# KiCad board latentpink.kicad_pcb (continued)
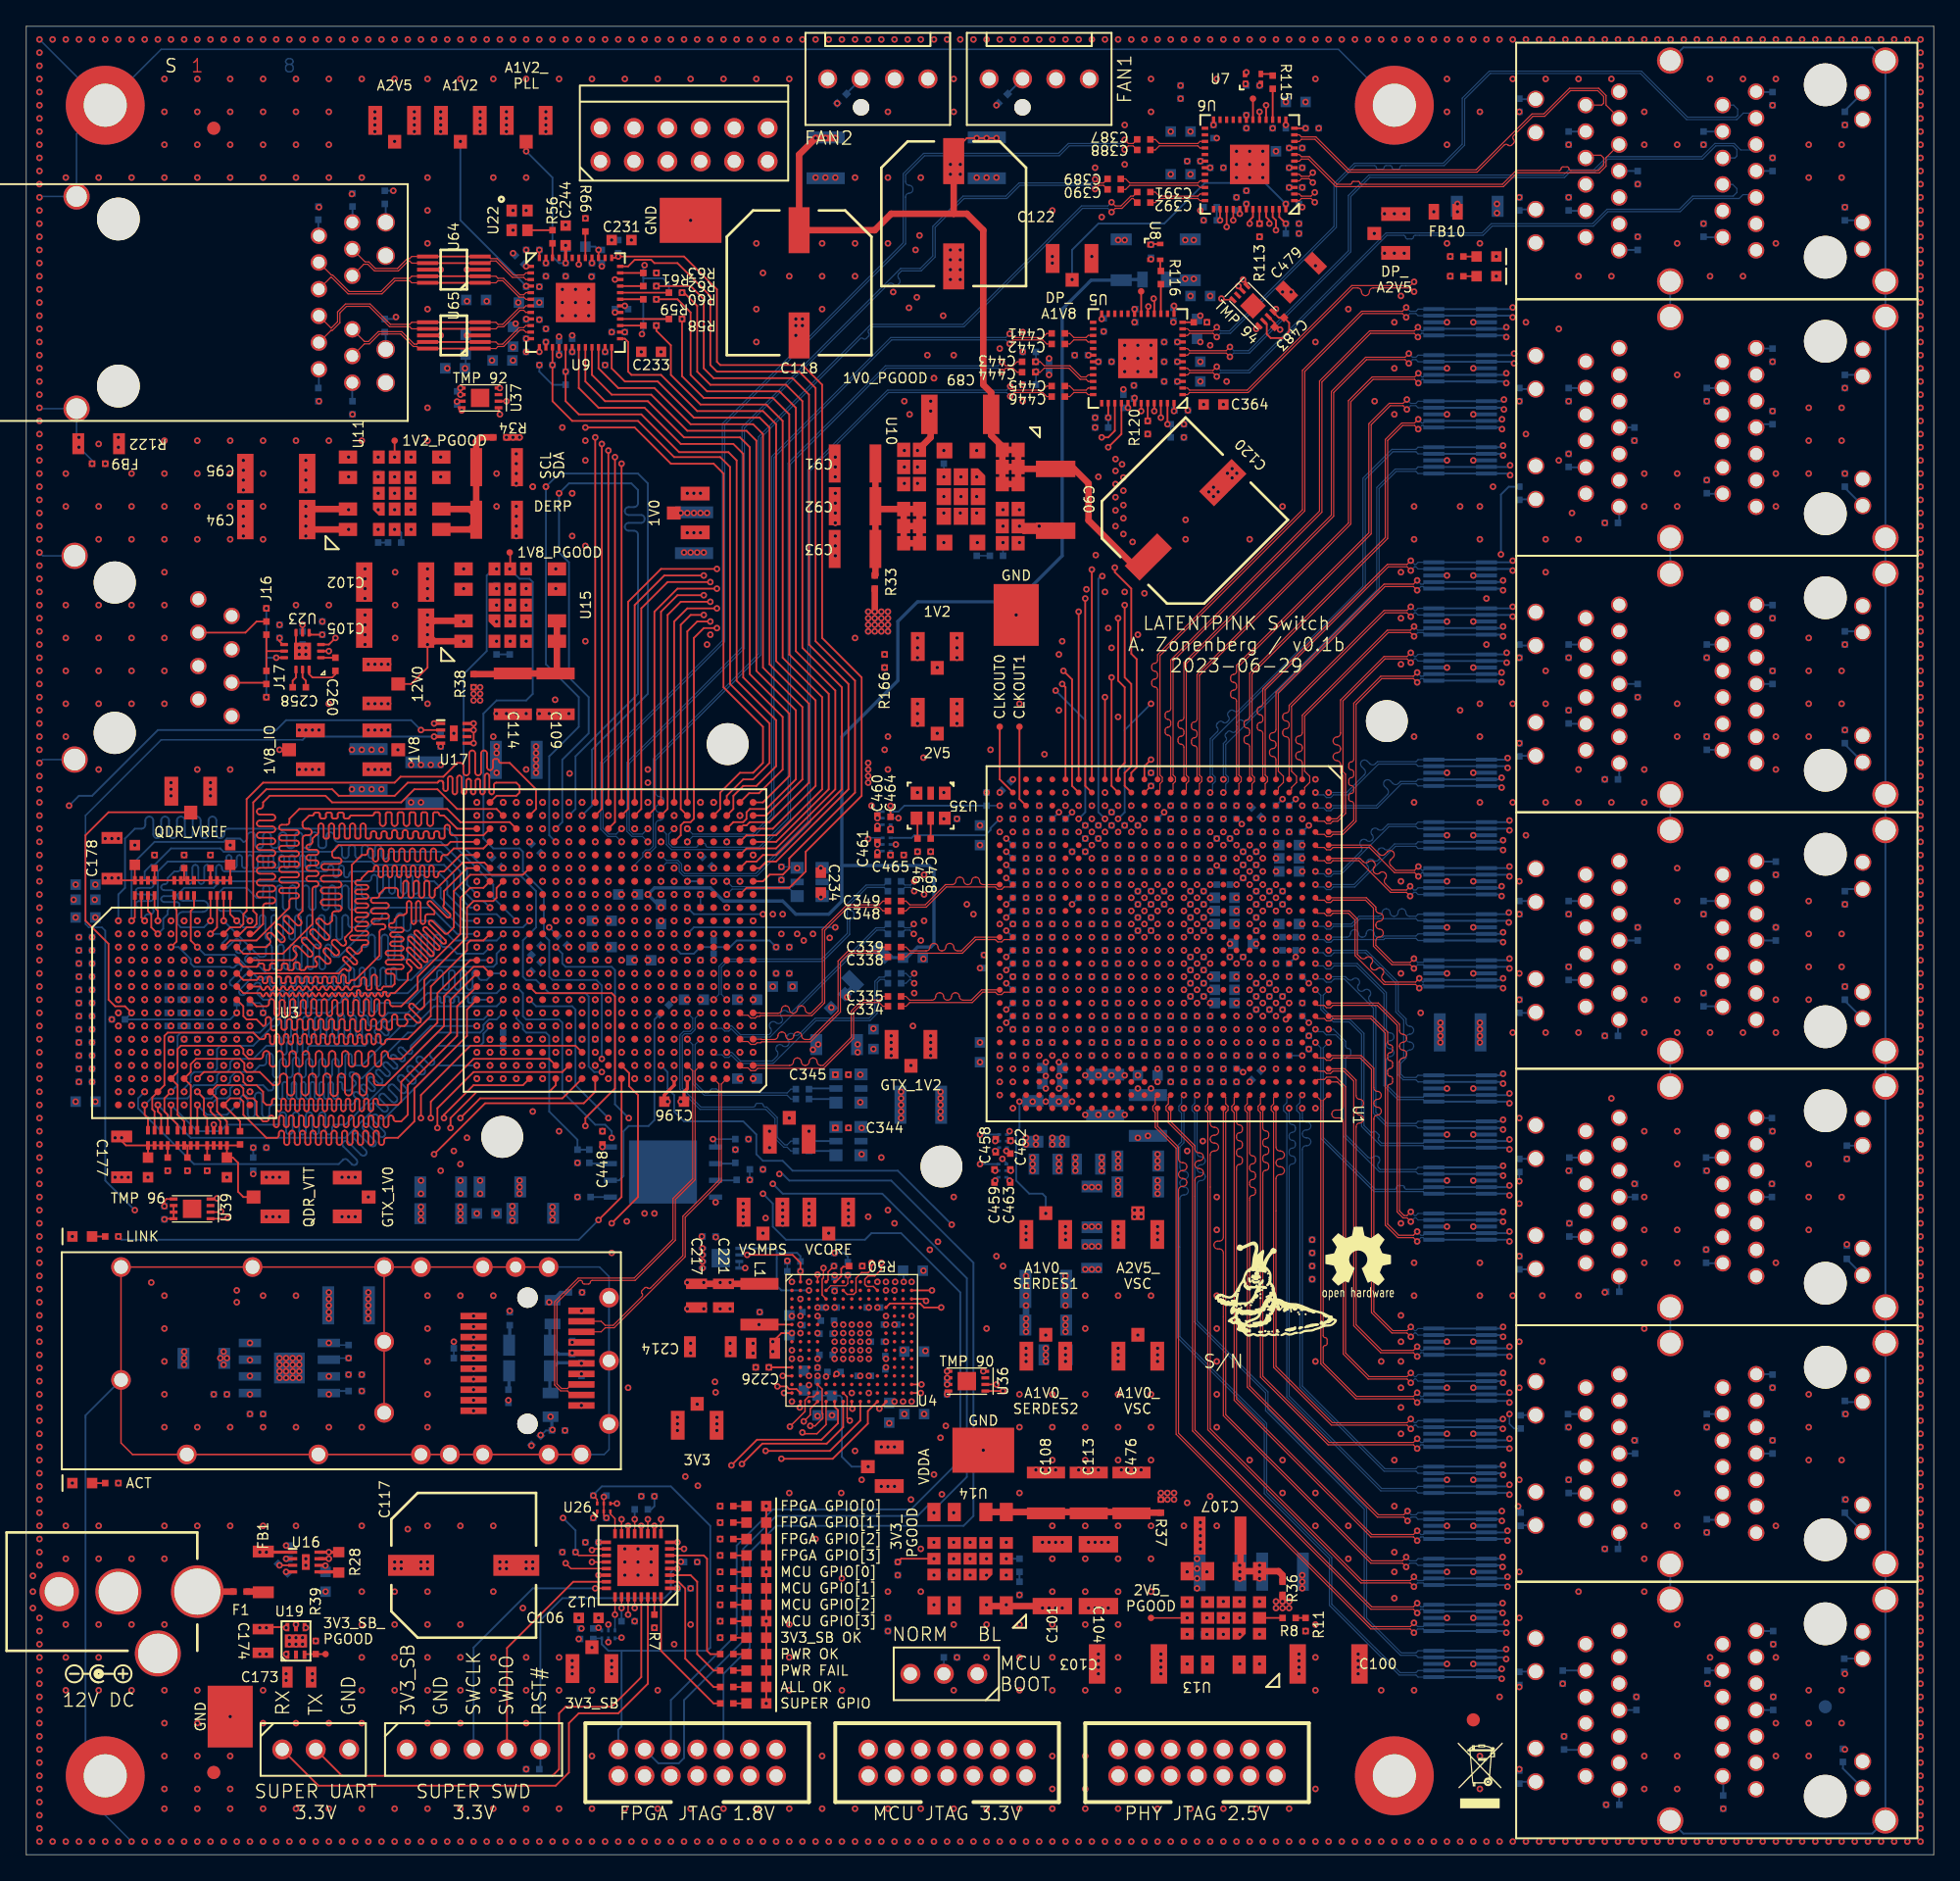
[diagram p0: board, top side]
## Routing (per net, layer and track width the routed paths; a pad name or vN(x,y) marks a point on that pad's centre or on a via; arc(x,y) is an arc through that point) (continued)
  Bottom w0.081: v1(105.25,48.88) 105.54,48.59 105.63,48.58 105.8,48.75 U44.5
  Bottom w0.14: U44.5 U44.6 112.14,48.75 v1(112.27,48.88)
/QSGMII PHY/ETH5_D2_N: length 32.4
  In2.Cu w0.081: v1(112.75,50.12) 113.04,50.41 116.54,50.41 118.04,51.92 119.46,51.92 119.74,51.64 119.74,51.44 119.29,50.99 118.56,50.99
  Bottom w0.09: 106.35,50.25 106.19,50.41 102.46,50.41 98.41,54.46 98.41,56.57 98.42,56.58 98.42,56.92 98.41,56.93 98.41,61.34 v1(98,61.75)
  Bottom w0.14: v1(112.75,50.12) 112.62,50.25 U45.10 U45.1
/QSGMII PHY/ETH5_D2_P: length 31.8
  In2.Cu w0.081: 120.69,51.6 120.02,51.6 119.54,52.08 117.96,52.08 116.46,50.59 113.04,50.59 v1(112.75,50.88)
  Bottom w0.09: 106.35,50.75 106.19,50.59 104.91,50.59 arc(104.81,50.63) 104.77,50.73 arc(104.73,50.83) 104.63,50.87 104.31,50.87 arc(104.21,50.83) 104.17,50.73 arc(104.13,50.63) 104.03,50.59 102.54,50.59 98.59,54.54 98.59,56.49 98.6,56.5 98.6,57 98.59,57.01 98.59,61.34 v1(99,61.75)
  Bottom w0.14: v1(112.75,50.88) 112.62,50.75 U45.9 U45.2
/QSGMII PHY/ETH5_D3_N: length 33
  In2.Cu w0.081: 120.99,53.92 118.14,53.92 115.84,51.61 113.56,51.61 113.26,51.91 112.56,51.91 v1(112.27,51.62)
  Bottom w0.081: 99.03,62.33 99.54,62.33 99.69,62.19
  Bottom w0.09: v1(98,62.75) 98.18,62.57 98.59,62.57 98.83,62.33 99.03,62.33 ; 99.69,62.19 100.11,61.76 100.11,54.66 102.86,51.91 105.64,51.91 105.8,51.75 U45.4
  Bottom w0.14: v1(112.27,51.62) 112.14,51.75 U45.7 U45.4
/QSGMII PHY/ETH5_D3_P: length 32.5
  In2.Cu w0.081: v1(112.27,52.38) 112.56,52.09 113.34,52.09 113.64,51.78 115.76,51.78 118.06,54.08 119.36,54.08 119.5,54.22 119.5,54.6 119.09,55.01
  Bottom w0.09: U45.5 105.8,52.25 105.64,52.09 102.94,52.09 102.81,52.21 arc(102.73,52.41) 102.81,52.61 arc(102.9,52.81) 102.81,53.01 102.79,53.04 arc(102.59,53.12) 102.39,53.04 arc(102.19,52.96) 101.99,53.04 100.29,54.74 100.29,60.49 arc(100.35,60.63) 100.49,60.69 arc(100.63,60.75) 100.69,60.89 100.69,61.09 arc(100.63,61.23) 100.49,61.29 arc(100.35,61.35) 100.29,61.49 100.29,61.84 99.38,62.75 v1(99,62.75)
  Bottom w0.14: v1(112.27,52.38) 112.14,52.25 U45.6 U45.5
/QSGMII PHY/ETH5_TAP_0: length 1.2
  Bottom w0.14: J18.14 121.09,42.81
/QSGMII PHY/ETH5_TAP_1: length 1.2
  Bottom w0.14: 118.56,46.97 117.33,46.97
/QSGMII PHY/ETH5_TAP_2: length 1.2
  Bottom w0.14: C415.2 J18.17
/QSGMII PHY/ETH5_TAP_3: length 1.3
  Bottom w0.14: C416.2 118.56,53
/QSGMII PHY/ETH6_D0_N: length 37.3
  Top w0.09: v1(105.82,74.38) 105.54,74.66 104.01,74.66 102.1,76.57 99.33,76.57 99.15,76.39 98.85,76.39 98.67,76.57 98.18,76.57 U1.B6
  In5.Cu w0.081: 129.18,74.3 130.28,74.3 130.41,74.44 130.41,75.06 129.56,75.92 123.36,75.92 122.36,76.92 114.84,76.92 113.78,75.86 113.78,75.16 113.29,74.66 113.04,74.66 v1(112.75,74.38)
  Bottom w0.09: v1(105.82,74.38) 106.11,74.66 106.19,74.66 106.35,74.5
  Bottom w0.14: v1(112.75,74.38) 112.62,74.5 U50.7 U50.4
/QSGMII PHY/ETH6_D0_P: length 37.6
  Top w0.09: U1.A6 102.18,76.75 102.87,76.06 arc(103.08,75.97) 103.29,76.06 103.48,76.25 arc(103.69,76.34) 103.9,76.25 arc(103.99,76.04) 103.9,75.83 103.71,75.64 arc(103.63,75.43) 103.71,75.21 104.09,74.84 105.54,74.84 v1(105.82,75.12)
  In5.Cu w0.081: v1(112.75,75.12) 113.04,74.84 113.21,74.84 113.62,75.24 113.62,75.94 114.76,77.08 122.44,77.08 123.44,76.08 129.64,76.08 130.59,75.14 130.59,74.44 J19.6
  Bottom w0.09: v1(105.82,75.12) 106.11,74.84 106.19,74.84 106.35,75
  Bottom w0.14: v1(112.75,75.12) 112.62,75 U50.6 U50.5
/QSGMII PHY/ETH6_D1_N: length 38.2
  Top w0.09: U1.B7 98.18,75.57 98.67,75.57 98.85,75.39 99.15,75.39 99.33,75.57 101.3,75.57 103.71,73.16 104.92,73.16 v1(105.2,72.88)
  In5.Cu w0.081: v1(112.15,72.88) 112.44,73.16 113.69,73.16 114.04,73.52 119.36,73.52 120.46,72.42 124.56,72.42 127.56,69.42 129.94,69.42 130.49,69.96 130.49,70.49 J19.5
  Bottom w0.09: v1(105.2,72.88) 105.48,73.16 105.64,73.16 105.8,73 U50.1
  Bottom w0.14: U50.1 U50.10 112.03,73 v1(112.15,72.88)
/QSGMII PHY/ETH6_D1_P: length 37.7
  Top w0.09: v1(105.2,73.62) 104.92,73.34 103.79,73.34 103.31,73.81 arc(103.23,74.01) 103.31,74.21 arc(103.4,74.41) 103.31,74.61 103.29,74.64 arc(103.09,74.72) 102.89,74.64 arc(102.69,74.55) 102.49,74.64 102.47,74.66 arc(102.38,74.86) 102.47,75.06 arc(102.55,75.26) 102.47,75.46 102.44,75.48 arc(102.24,75.57) 102.04,75.48 arc(101.84,75.4) 101.64,75.48 101.38,75.75 U1.A7
  In5.Cu w0.081: 129.38,70.9 130,70.9 130.3,70.6 130.3,70.02 129.86,69.58 127.64,69.58 124.64,72.58 120.54,72.58 119.44,73.69 113.96,73.69 113.61,73.34 112.44,73.34 v1(112.15,73.62)
  Bottom w0.09: U50.2 105.8,73.5 105.64,73.34 105.48,73.34 v1(105.2,73.62)
  Bottom w0.14: U50.2 U50.9 112.03,73.5 v1(112.15,73.62)
/QSGMII PHY/ETH6_D2_N: length 42.7
  In2.Cu w0.081: J19.10 129.62,68.48 129.84,68.26 130.14,68.26 130.31,68.44 130.31,69.06 129.96,69.42 128.12,69.42 arc(128.06,69.39) 128.04,69.34 arc(128.02,69.28) 127.96,69.26 127.51,69.26 arc(127.46,69.28) 127.44,69.34 arc(127.42,69.39) 127.36,69.42 126.66,69.42 124.72,71.36 124.72,75.36 121.91,78.16 113.04,78.16 v1(112.75,77.88)
  Bottom w0.09: v1(98,74.75) 98.18,74.57 98.64,74.57 98.84,74.37 99.16,74.37 99.36,74.57 100,74.57 103.59,78.16 105.64,78.16 105.8,78 U51.4
  Bottom w0.14: v1(112.75,77.88) 112.62,78 U51.7 U51.4
/QSGMII PHY/ETH6_D2_P: length 42.7
  In2.Cu w0.081: v1(112.75,78.62) 113.04,78.34 121.99,78.34 124.88,75.44 124.88,71.44 126.74,69.58 130.04,69.58 130.49,69.14 130.49,68.51 J19.3
  Bottom w0.09: v1(99,74.75) 99.92,74.75 101.46,76.29 arc(101.54,76.49) 101.46,76.69 arc(101.38,76.89) 101.46,77.09 101.48,77.12 arc(101.68,77.2) 101.89,77.12 arc(102.09,77.03) 102.29,77.12 102.31,77.14 arc(102.39,77.34) 102.31,77.54 arc(102.23,77.74) 102.31,77.94 102.33,77.96 arc(102.53,78.05) 102.73,77.96 arc(102.94,77.88) 103.14,77.96 103.51,78.34 105.64,78.34 105.8,78.5 U51.5
  Bottom w0.14: U51.5 U51.6 112.62,78.5 v1(112.75,78.62)
/QSGMII PHY/ETH6_D3_N: length 44.2
  In2.Cu w0.081: 131.19,65.8 130.32,65.8 129.84,65.31 128.36,65.31 127.56,66.11 125.16,66.11 123.41,67.86 123.41,75.36 122.11,76.66 112.56,76.66 v1(112.27,76.38)
  Bottom w0.09: U51.1 105.8,76.5 105.64,76.66 104.09,76.66 101,73.57 99.36,73.57 99.16,73.37 98.84,73.37 98.64,73.57 98.18,73.57 v1(98,73.75)
  Bottom w0.14: U51.1 U51.10 112.14,76.5 v1(112.27,76.38)
/QSGMII PHY/ETH6_D3_P: length 44.6
  In2.Cu w0.081: v1(112.27,77.12) 112.56,76.84 122.19,76.84 123.59,75.44 123.59,67.94 125.24,66.28 127.64,66.28 128.44,65.48 129.76,65.48 130.04,65.76 130.04,66.06 129.63,66.47 J19.9
  Bottom w0.09: v1(99,73.75) 100.92,73.75 101.96,74.79 arc(102.04,74.99) 101.96,75.19 arc(101.88,75.39) 101.96,75.59 101.98,75.62 arc(102.18,75.7) 102.39,75.62 arc(102.59,75.53) 102.79,75.62 102.81,75.64 arc(102.89,75.84) 102.81,76.04 arc(102.73,76.24) 102.81,76.44 102.83,76.46 arc(103.03,76.55) 103.23,76.46 arc(103.44,76.38) 103.64,76.46 104.01,76.84 105.64,76.84 105.8,77 U51.2
  Bottom w0.14: v1(112.27,77.12) 112.14,77 U51.9 U51.2
/QSGMII PHY/ETH6_TAP_0: length 1.5
  Bottom w0.14: C417.2 131.53,75.5
/QSGMII PHY/ETH6_TAP_1: length 1.5
  Bottom w0.14: C418.2 J19.12
/QSGMII PHY/ETH6_TAP_2: length 1.5
  Bottom w0.14: C419.2 J19.4
/QSGMII PHY/ETH6_TAP_3: length 1.4
  Bottom w0.14: C420.2 128.93,64.5
/QSGMII PHY/ETH7_D0_N: length 27.6
  Top w0.09: v1(105.9,65.88) 105.61,66.16 103.21,66.16 101.01,68.36 101.01,71.06 100.5,71.57 99.33,71.57 99.15,71.39 98.85,71.39 98.67,71.57 98.18,71.57 U1.B11
  In2.Cu w0.081: 118.56,64.46 119.36,64.46 119.69,64.79 119.69,65.19 119.46,65.42 113.96,65.42 113.21,66.16 112.56,66.16 v1(112.27,65.88)
  Bottom w0.09: 106.35,66 106.19,66.16 106.18,66.16 v1(105.9,65.88)
  Bottom w0.14: v1(112.27,65.88) 112.14,66 U54.10 U54.1
/QSGMII PHY/ETH7_D0_P: length 27.2
  Top w0.09: v1(105.9,66.62) 105.61,66.34 103.29,66.34 103.11,66.51 arc(103.03,66.71) 103.11,66.91 arc(103.2,67.11) 103.11,67.31 103.09,67.34 arc(102.89,67.42) 102.69,67.34 arc(102.49,67.25) 102.29,67.34 102.27,67.36 arc(102.18,67.56) 102.27,67.76 arc(102.35,67.96) 102.27,68.16 102.24,68.18 arc(102.04,68.27) 101.84,68.18 arc(101.64,68.1) 101.44,68.18 101.19,68.44 101.19,71.14 100.58,71.75 U1.A11
  In2.Cu w0.081: v1(112.27,66.62) 112.56,66.34 113.29,66.34 114.04,65.58 119.54,65.58 119.92,65.2 120.81,65.2
  Bottom w0.09: 106.35,66.5 106.19,66.34 106.18,66.34 v1(105.9,66.62)
  Bottom w0.14: v1(112.27,66.62) 112.14,66.5 U54.9 U54.2
/QSGMII PHY/ETH7_D1_N: length 27.1
  Top w0.09: v1(105.49,67.38) 105.2,67.66 103.81,67.66 102.41,69.06 102.41,71.96 101.8,72.57 99.33,72.57 99.15,72.39 98.85,72.39 98.67,72.57 98.18,72.57 U1.B10
  In2.Cu w0.081: 120.69,67.9 120.12,67.9 119.64,67.42 117.96,67.42 117.36,68.02 116.44,68.02 116.09,67.67 113.04,67.66 v1(112.75,67.38)
  Bottom w0.09: 106.35,67.5 106.19,67.66 105.77,67.66 v1(105.49,67.38)
  Bottom w0.14: U54.4 U54.7 112.62,67.5 v1(112.75,67.38)
/QSGMII PHY/ETH7_D1_P: length 27.7
  Top w0.09: v1(105.49,68.12) 105.2,67.84 103.89,67.84 102.59,69.14 102.59,69.49 arc(102.67,69.69) 102.87,69.77 arc(103.07,69.85) 103.15,70.05 103.15,70.09 arc(103.07,70.29) 102.87,70.37 arc(102.67,70.45) 102.59,70.65 102.59,70.69 arc(102.67,70.89) 102.87,70.97 arc(103.07,71.05) 103.15,71.25 103.15,71.29 arc(103.07,71.49) 102.87,71.57 arc(102.67,71.65) 102.59,71.85 102.59,72.04 101.88,72.75 U1.A10
  In2.Cu w0.081: 118.56,68.48 119.42,68.48 119.7,68.2 119.7,67.72 119.56,67.58 118.04,67.58 117.44,68.19 116.36,68.19 116.01,67.83 113.04,67.84 v1(112.75,68.12)
  Bottom w0.09: 106.35,68 106.19,67.84 105.77,67.84 v1(105.49,68.12)
  Bottom w0.14: U54.5 U54.6 112.62,68 v1(112.75,68.12)
/QSGMII PHY/ETH7_D2_N: length 24.8
  In2.Cu w0.081: 118.56,70.49 119.59,70.49 119.74,70.64 119.74,71.04 119.36,71.42 118.04,71.42 116.29,69.66 112.56,69.66 v1(112.27,69.38)
  Bottom w0.09: v1(98,69.75) 98.18,69.57 98.64,69.57 98.84,69.37 99.16,69.37 99.36,69.57 103.2,69.57 103.29,69.66 105.64,69.66 105.8,69.5 U55.1
  Bottom w0.14: U55.1 U55.10 112.14,69.5 v1(112.27,69.38)
/QSGMII PHY/ETH7_D2_P: length 24.8
  In2.Cu w0.081: v1(112.27,70.12) 112.56,69.84 116.21,69.84 117.96,71.58 119.44,71.58 120.02,71 120.59,71 J19.18
  Bottom w0.09: v1(99,69.75) 100.38,69.75 arc(100.58,69.83) 100.67,70.03 arc(100.75,70.24) 100.95,70.32 100.98,70.32 arc(101.18,70.24) 101.27,70.03 arc(101.35,69.83) 101.55,69.75 101.58,69.75 arc(101.78,69.83) 101.87,70.03 arc(101.95,70.24) 102.15,70.32 102.18,70.32 arc(102.38,70.24) 102.47,70.03 arc(102.55,69.83) 102.75,69.75 103.12,69.75 103.21,69.84 105.64,69.84 105.8,70 U55.2
  Bottom w0.14: U55.2 U55.9 112.14,70 v1(112.27,70.12)
/QSGMII PHY/ETH7_D3_N: length 25.1
  In2.Cu w0.081: v1(112.7,70.88) 112.99,71.16 113.01,71.16 113.66,70.52 114.94,70.52 117.84,73.42 119.54,73.42 120.02,73.9 120.72,73.9
  Bottom w0.09: U55.4 105.8,71 105.64,71.16 101.39,71.16 100.8,70.57 99.36,70.57 99.16,70.37 98.84,70.37 98.64,70.57 98.18,70.57 v1(98,70.75)
  Bottom w0.14: U55.4 U55.7 112.58,71 v1(112.7,70.88)
/QSGMII PHY/ETH7_D3_P: length 25.6
  In2.Cu w0.081: v1(112.7,71.62) 112.99,71.34 113.09,71.34 113.74,70.69 114.86,70.69 117.76,73.58 119.41,73.58 119.6,73.77 119.6,74.4 119.49,74.51 118.56,74.51
  Bottom w0.09: U55.5 105.8,71.5 105.64,71.34 105.16,71.34 arc(104.96,71.42) 104.88,71.62 arc(104.79,71.83) 104.59,71.91 104.56,71.91 arc(104.36,71.83) 104.28,71.62 arc(104.19,71.42) 103.99,71.34 103.96,71.34 arc(103.76,71.42) 103.68,71.62 arc(103.59,71.83) 103.39,71.91 103.36,71.91 arc(103.16,71.83) 103.08,71.62 arc(102.99,71.42) 102.79,71.34 101.31,71.34 100.72,70.75 v1(99,70.75)
  Bottom w0.14: v1(112.7,71.62) 112.58,71.5 U55.6 U55.5
/QSGMII PHY/ETH7_TAP_0: length 1.1
  Bottom w0.14: C421.2 121,63.37
/QSGMII PHY/ETH7_TAP_1: length 1.3
  Bottom w0.14: C422.2 118.53,66.5
/QSGMII PHY/ETH7_TAP_2: length 1.4
  Bottom w0.14: C423.2 J19.17
/QSGMII PHY/ETH7_TAP_3: length 1.3
  Bottom w0.14: C424.2 118.56,72.5
/QSGMII PHY/ETH8_D0_N: length 49.8
  Top w0.09: v1(105.73,96.12) 105.45,96.41 103.29,96.41 95.18,88.3 95.18,82.37 95.56,81.98 95.56,81.52 95.18,81.13 95.18,80.93 U1.E2
  In2.Cu w0.081: v1(112.27,96.12) 112.56,96.41 117.44,96.41 118.14,97.12 122.66,97.12 124.56,95.22 129.66,95.22 130.31,94.56 130.31,93.84 130.24,93.76 129.94,93.76 129.69,94.01 J20.13
  Bottom w0.09: v1(105.73,96.12) 106.02,96.41 106.19,96.41 106.35,96.25
  Bottom w0.14: v1(112.27,96.12) 112.14,96.25 U58.10 U58.1
/QSGMII PHY/ETH8_D0_P: length 49.9
  Top w0.09: U1.E1 95,83.25 arc(94.93,83.42) 94.76,83.49 arc(94.58,83.57) 94.51,83.74 94.51,83.85 arc(94.58,84.02) 94.76,84.09 arc(94.93,84.17) 95,84.34 95,84.45 arc(94.93,84.62) 94.76,84.69 arc(94.58,84.77) 94.51,84.94 94.51,85.05 arc(94.58,85.22) 94.76,85.29 arc(94.93,85.37) 95,85.54 95,88.38 103.21,96.59 105.45,96.59 v1(105.73,96.88)
  In2.Cu w0.081: J20.6 130.49,94.04 130.49,94.64 129.74,95.39 124.64,95.39 122.74,97.28 118.06,97.28 117.36,96.59 112.56,96.59 v1(112.27,96.88)
  Bottom w0.09: 106.35,96.75 106.19,96.59 106.02,96.59 v1(105.73,96.88)
  Bottom w0.14: v1(112.27,96.88) 112.14,96.75 U58.9 U58.2
/QSGMII PHY/ETH8_D1_N: length 55.8
  Top w0.09: U1.F2 94.18,80.93 94.18,81.42 94.36,81.6 94.36,81.9 94.18,82.08 94.18,88.55 103.54,97.91 104.97,97.91 v1(105.25,97.62)
  In5.Cu w0.081: v1(113,97.62) 113.29,97.91 120.26,97.91 126.31,91.86 126.31,90.06 127.46,88.92 130.24,88.92 130.59,89.26 130.59,90.09 J20.5
  Bottom w0.09: U58.4 105.8,97.75 105.64,97.91 105.53,97.91 v1(105.25,97.62)
  Bottom w0.14: U58.4 U58.7 112.88,97.75 v1(113,97.62)
/QSGMII PHY/ETH8_D1_P: length 55.6
  Top w0.09: U1.F1 94,85.25 arc(93.94,85.4) 93.79,85.46 arc(93.64,85.52) 93.58,85.67 93.58,85.85 arc(93.64,86) 93.79,86.06 arc(93.94,86.12) 94,86.27 94,86.45 arc(93.94,86.6) 93.79,86.66 arc(93.64,86.72) 93.58,86.87 93.58,87.05 arc(93.64,87.2) 93.79,87.26 arc(93.94,87.32) 94,87.47 94,88.63 103.46,98.09 104.97,98.09 v1(105.25,98.38)
  In5.Cu w0.081: v1(113,98.38) 113.29,98.09 120.34,98.09 126.49,91.94 126.49,90.14 127.54,89.08 130.16,89.08 130.41,89.34 130.41,90.16 130.28,90.3 129.28,90.3
  Bottom w0.09: U58.5 105.8,98.25 105.64,98.09 105.53,98.09 v1(105.25,98.38)
  Bottom w0.14: v1(113,98.38) 112.88,98.25 U58.6 U58.5
/QSGMII PHY/ETH8_D2_N: length 50.6
  Top w0.09: v1(105.5,92.62) 105.21,92.91 103.54,92.91 97.18,86.55 97.18,82.37 97.56,81.98 97.56,81.52 97.18,81.13 97.18,80.93 U1.C2
  In2.Cu w0.081: J20.10 129.92,87.98 130.1,87.8 130.3,87.8 130.41,87.92 130.41,88.46 129.96,88.92 125.56,88.92 123.81,90.66 123.81,94.16 121.86,96.12 119.04,96.12 115.84,92.91 112.56,92.91 v1(112.27,92.62)
  Bottom w0.09: 106.35,92.75 106.19,92.91 105.78,92.91 v1(105.5,92.62)
  Bottom w0.14: v1(112.27,92.62) 112.14,92.75 U59.10 U59.1
/QSGMII PHY/ETH8_D2_P: length 50.6
  Top w0.09: U1.C1 97,83 arc(96.93,83.17) 96.76,83.24 arc(96.58,83.32) 96.51,83.49 96.51,83.6 arc(96.58,83.77) 96.76,83.84 arc(96.93,83.92) 97,84.09 97,84.2 arc(96.93,84.37) 96.76,84.44 arc(96.58,84.52) 96.51,84.69 96.51,84.8 arc(96.58,84.97) 96.76,85.04 arc(96.93,85.12) 97,85.29 97,86.63 103.46,93.09 105.21,93.09 v1(105.5,93.38)
  In2.Cu w0.081: v1(112.27,93.38) 112.56,93.09 115.76,93.09 118.96,96.28 121.94,96.28 123.99,94.24 123.99,90.74 125.64,89.08 130.04,89.08 130.59,88.54 130.59,87.91 J20.3
  Bottom w0.09: v1(105.5,93.38) 105.78,93.09 106.19,93.09 106.35,93.25
  Bottom w0.14: U59.2 U59.9 112.14,93.25 v1(112.27,93.38)
/QSGMII PHY/ETH8_D3_N: length 51.9
  Top w0.09: v1(105.25,94.12) 104.97,94.41 103.29,94.41 96.18,87.3 96.18,82.37 96.56,81.98 96.56,81.52 96.18,81.13 96.18,80.93 U1.D2
  In5.Cu w0.081: v1(113,94.12) 113.29,94.41 113.36,94.41 113.72,94.06 113.72,93.66 114.36,93.02 119.36,93.02 120.36,92.02 122.76,92.02 123.62,91.16 123.62,87.26 125.36,85.52 127.86,85.52 128.46,84.92 129.94,84.92 130.41,85.39 131.1,85.39
  Bottom w0.09: v1(105.25,94.12) 105.53,94.41 105.64,94.41 105.8,94.25 U59.4
  Bottom w0.14: v1(113,94.12) 112.88,94.25 U59.7 U59.4
/QSGMII PHY/ETH8_D3_P: length 52.5
  Top w0.09: U1.D1 96,84.75 arc(95.93,84.92) 95.76,84.99 arc(95.58,85.07) 95.51,85.24 95.51,85.35 arc(95.58,85.52) 95.76,85.59 arc(95.93,85.67) 96,85.84 96,85.95 arc(95.93,86.12) 95.76,86.19 arc(95.58,86.27) 95.51,86.44 95.51,86.55 arc(95.58,86.72) 95.76,86.79 arc(95.93,86.87) 96,87.04 96,87.38 103.21,94.59 104.97,94.59 v1(105.25,94.88)
  In5.Cu w0.081: v1(113,94.88) 113.29,94.59 113.44,94.59 113.88,94.14 113.88,93.74 114.44,93.19 119.44,93.19 120.44,92.19 122.84,92.19 123.78,91.24 123.78,87.34 125.44,85.69 127.94,85.69 128.54,85.08 129.86,85.08 130.16,85.38 130.16,85.59 129.78,85.97 J20.9
  Bottom w0.09: U59.5 105.8,94.75 105.64,94.59 105.53,94.59 v1(105.25,94.88)
  Bottom w0.14: v1(113,94.88) 112.88,94.75 U59.6 U59.5
/QSGMII PHY/ETH8_TAP_0: length 1.2
  Bottom w0.14: C425.2 131.53,95
/QSGMII PHY/ETH8_TAP_1: length 1.2
  Bottom w0.14: C426.2 J20.12
/QSGMII PHY/ETH8_TAP_2: length 1.2
  Bottom w0.14: C427.2 J20.4
/QSGMII PHY/ETH8_TAP_3: length 1.2
  Bottom w0.14: C428.2 128.93,84
/QSGMII PHY/ETH9_D0_N: length 27.6
  In2.Cu w0.081: 118.56,83.96 119.36,83.96 119.74,84.34 119.74,84.64 119.46,84.92 117.94,84.92 117.49,84.46 117.49,82.11 116.79,81.41 112.44,81.41 v1(112.15,81.12)
  Bottom w0.09: U62.1 105.8,81.25 105.64,81.41 104.54,81.41 102.7,79.57 99.36,79.57 99.16,79.37 98.84,79.37 98.64,79.57 98.18,79.57 v1(98,79.75)
  Bottom w0.14: U62.1 U62.10 112.03,81.25 v1(112.15,81.12)
/QSGMII PHY/ETH9_D0_P: length 27
  In2.Cu w0.081: 120.72,84.6 120.02,84.6 119.54,85.08 117.86,85.08 117.31,84.54 117.31,82.19 116.71,81.59 112.44,81.59 v1(112.15,81.88)
  Bottom w0.09: U62.2 105.8,81.75 105.64,81.59 104.46,81.59 104.31,81.44 arc(104.1,81.35) 103.89,81.44 103.69,81.64 arc(103.48,81.72) 103.27,81.64 arc(103.18,81.42) 103.27,81.21 103.46,81.01 arc(103.55,80.8) 103.46,80.59 102.62,79.75 v1(99,79.75)
  Bottom w0.14: v1(112.15,81.88) 112.03,81.75 U62.9 U62.2
/QSGMII PHY/ETH9_D1_N: length 26.4
  In2.Cu w0.081: 120.78,87.3 119.92,87.3 119.44,86.81 117.94,86.81 115.84,84.72 114.54,84.72 113.73,83.91 113.73,83.31 113.34,82.92 112.9,82.91 v1(112.61,82.62)
  Bottom w0.09: v1(98,80.75) 98.18,80.57 98.64,80.57 98.84,80.37 99.16,80.37 99.36,80.57 100.45,80.57 102.79,82.91 105.64,82.91 105.8,82.75 U62.4
  Bottom w0.14: U62.4 U62.7 112.49,82.75 v1(112.61,82.62)
/QSGMII PHY/ETH9_D1_P: length 26.8
  In2.Cu w0.081: 118.56,87.98 119.32,87.98 119.64,87.66 119.64,87.26 119.36,86.98 117.86,86.98 115.76,84.89 114.46,84.89 113.56,83.98 113.56,83.38 113.26,83.08 112.9,83.09 v1(112.61,83.38)
  Bottom w0.09: v1(99,80.75) 100.37,80.75 101.71,82.09 arc(101.8,82.3) 101.71,82.51 101.52,82.71 arc(101.43,82.92) 101.52,83.14 arc(101.73,83.22) 101.94,83.14 102.14,82.94 arc(102.35,82.85) 102.56,82.94 102.71,83.09 105.64,83.09 105.8,83.25 U62.5
  Bottom w0.14: U62.5 U62.6 112.49,83.25 v1(112.61,83.38)
/QSGMII PHY/ETH9_D2_N: length 34.1
  Top w0.09: v1(105.73,89.12) 105.45,89.41 103.04,89.41 101.09,87.46 101.09,78.56 100.1,77.57 99.33,77.57 99.15,77.39 98.85,77.39 98.67,77.57 98.18,77.57 U1.B5
  In2.Cu w0.081: v1(112.15,89.12) 112.44,89.41 116.54,89.41 118.04,90.92 119.46,90.92 119.59,90.79 119.59,90.19 119.39,89.99 118.56,89.99
  Bottom w0.09: 106.35,89.25 106.19,89.41 106.02,89.41 v1(105.73,89.12)
  Bottom w0.14: v1(112.15,89.12) 112.03,89.25 U63.10 U63.1
/QSGMII PHY/ETH9_D2_P: length 33.8
  Top w0.09: v1(105.73,89.88) 105.45,89.59 102.96,89.59 100.91,87.54 100.91,83.27 arc(100.86,83.13) 100.72,83.08 arc(100.59,83.02) 100.53,82.89 100.53,82.67 arc(100.59,82.53) 100.72,82.48 arc(100.86,82.42) 100.91,82.29 100.91,82.07 arc(100.86,81.93) 100.72,81.88 arc(100.59,81.82) 100.53,81.69 100.53,81.47 arc(100.59,81.33) 100.72,81.28 arc(100.86,81.22) 100.91,81.09 100.91,80.87 arc(100.86,80.73) 100.72,80.68 arc(100.59,80.62) 100.53,80.49 100.53,80.27 arc(100.59,80.13) 100.72,80.08 arc(100.86,80.02) 100.91,79.89 100.91,78.64 100.02,77.75 U1.A5
  In2.Cu w0.081: v1(112.15,89.88) 112.44,89.59 116.46,89.59 117.96,91.08 119.54,91.08 119.92,90.7 120.78,90.7
  Bottom w0.09: v1(105.73,89.88) 106.02,89.59 106.19,89.59 106.35,89.75
  Bottom w0.14: v1(112.15,89.88) 112.03,89.75 U63.9 U63.2
/QSGMII PHY/ETH9_D3_N: length 35.7
  Top w0.09: U1.B4 98.18,78.57 98.67,78.57 98.85,78.39 99.15,78.39 99.33,78.57 99.7,78.57 100.29,79.16 100.29,82.14 100.09,82.34 100.09,87.71 103.29,90.91 104.97,90.91 v1(105.25,90.62)
  In2.Cu w0.081: 120.81,93.3 119.82,93.3 119.44,92.92 117.54,92.92 114.54,89.92 113.46,89.92 113.06,90.31 113.06,90.61 113.05,90.62 v1(112.54,90.62)
  Bottom w0.09: U63.4 105.8,90.75 105.64,90.91 105.53,90.91 v1(105.25,90.62)
  Bottom w0.14: v1(112.54,90.62) 112.41,90.75 U63.7 U63.4
/QSGMII PHY/ETH9_D3_P: length 35.5
  Top w0.09: U1.A4 99.62,78.75 100.11,79.24 100.11,82.06 99.91,82.26 99.91,82.89 arc(99.83,83.09) 99.63,83.17 arc(99.43,83.25) 99.35,83.45 99.35,83.49 arc(99.43,83.69) 99.63,83.77 arc(99.83,83.85) 99.91,84.05 99.91,84.09 arc(99.83,84.29) 99.63,84.37 arc(99.43,84.45) 99.35,84.65 99.35,84.69 arc(99.43,84.89) 99.63,84.97 arc(99.83,85.05) 99.91,85.25 99.91,87.79 103.21,91.09 104.97,91.09 v1(105.25,91.38)
  In2.Cu w0.081: 119.09,94.01 119.54,93.56 119.54,93.26 119.36,93.08 117.46,93.08 114.46,90.08 113.54,90.08 113.24,90.39 113.24,90.68 v1(112.54,91.38)
  Bottom w0.09: U63.5 105.8,91.25 105.64,91.09 105.53,91.09 v1(105.25,91.38)
  Bottom w0.14: U63.5 U63.6 112.41,91.25 v1(112.54,91.38)
/QSGMII PHY/ETH9_TAP_0: length 1.1
  Bottom w0.14: J20.14 121.09,81.84
/QSGMII PHY/ETH9_TAP_1: length 1.3
  Bottom w0.14: 118.56,85.97 117.28,85.97
/QSGMII PHY/ETH9_TAP_2: length 1.4
  Bottom w0.14: J20.17 C431.2
/QSGMII PHY/ETH9_TAP_3: length 1.3
  Bottom w0.14: 118.56,92 C432.2
/QSGMII PHY/ETH10_D0_N: length 75.6
  Top w0.09: v1(104.9,116.88) 104.62,117.16 101.59,117.16 97.19,112.76 97.19,102.16 86.18,91.15 86.18,82.08 86.36,81.9 86.36,81.6 86.18,81.42 86.18,80.93 U1.P2
  In2.Cu w0.081: v1(113,116.88) 113.29,117.16 121.61,117.16 123.81,114.97 129.76,114.97 130.37,114.36 130.37,113.34 130.28,113.25 129.22,113.25
  Bottom w0.09: v1(104.9,116.88) 105.18,117.16 105.64,117.16 105.8,117 U40.4
  Bottom w0.14: v1(113,116.88) 112.88,117 U40.7 U40.4
/QSGMII PHY/ETH10_D0_P: length 76
  Top w0.09: v1(104.9,117.62) 104.62,117.34 101.51,117.34 97.01,112.84 97.01,102.24 86,91.23 86,90.8 arc(85.93,90.64) 85.78,90.58 arc(85.62,90.51) 85.55,90.35 85.55,90.2 arc(85.62,90.04) 85.78,89.98 arc(85.93,89.91) 86,89.75 86,89.6 arc(85.93,89.44) 85.78,89.38 arc(85.62,89.31) 85.55,89.15 85.55,89 arc(85.62,88.84) 85.78,88.78 arc(85.93,88.71) 86,88.55 U1.P1
  In2.Cu w0.081: v1(113,117.62) 113.29,117.34 121.69,117.34 123.89,115.13 129.84,115.13 130.53,114.44 130.53,113.49 J21.6
  Bottom w0.09: v1(104.9,117.62) 105.18,117.34 105.64,117.34 105.8,117.5 U40.5
  Bottom w0.14: U40.5 U40.6 112.88,117.5 v1(113,117.62)
/QSGMII PHY/ETH10_D1_N: length 74.5
  Top w0.09: U1.N2 87.18,80.93 87.18,81.42 87.36,81.6 87.36,81.9 87.18,82.08 87.18,90.75 98.49,102.06 98.49,111.96 102.19,115.66 105.51,115.66 v1(105.79,115.38)
  In5.Cu w0.081: 131.06,110.51 130.59,110.03 130.59,108.96 130.04,108.41 126.66,108.41 123.66,111.41 120.06,111.41 119.06,112.41 117.86,112.41 114.61,115.66 112.8,115.66 v1(112.51,115.38)
  Bottom w0.09: 106.35,115.5 106.19,115.66 106.08,115.66 v1(105.79,115.38)
  Bottom w0.14: v1(112.51,115.38) 112.39,115.5 U40.10 U40.1
/QSGMII PHY/ETH10_D1_P: length 74.5
  Top w0.09: U1.N1 87,84.9 arc(86.94,85.05) 86.79,85.11 arc(86.64,85.17) 86.58,85.32 86.58,85.5 arc(86.64,85.65) 86.79,85.71 arc(86.94,85.77) 87,85.92 87,86.1 arc(86.94,86.25) 86.79,86.31 arc(86.64,86.37) 86.58,86.52 86.58,86.7 arc(86.64,86.85) 86.79,86.91 arc(86.94,86.97) 87,87.12 87,90.83 98.31,102.14 98.31,112.04 102.11,115.84 105.51,115.84 v1(105.79,116.12)
  In5.Cu w0.081: 129.32,109.85 130.33,109.85 130.41,109.76 130.41,109.04 129.96,108.59 126.74,108.59 123.74,111.59 120.14,111.59 119.14,112.59 117.94,112.59 114.69,115.84 112.8,115.84 v1(112.51,116.12)
  Bottom w0.09: v1(105.79,116.12) 106.08,115.84 106.19,115.84 106.35,116
  Bottom w0.14: U40.2 U40.9 112.39,116 v1(112.51,116.12)
/QSGMII PHY/ETH10_D2_N: length 77.3
  Top w0.09: U1.M2 88.18,80.93 88.18,81.42 88.36,81.6 88.36,81.9 88.18,82.08 88.18,90.55 99.39,101.76 99.39,111.16 101.89,113.66 104.82,113.66 v1(105.1,113.38)
  In2.Cu w0.081: J21.10 130.24,107.48 130.31,107.56 130.31,107.86 129.76,108.41 128.09,108.41 arc(127.96,108.36) 127.91,108.24 arc(127.86,108.12) 127.74,108.07 127.49,108.07 arc(127.36,108.12) 127.31,108.24 arc(127.26,108.36) 127.14,108.41 124.16,108.41 122.72,109.86 122.72,114.66 121.86,115.52 118.84,115.52 116.04,112.72 114.36,112.72 113.41,113.66 113.39,113.66 v1(113.1,113.38)
  Bottom w0.09: U43.4 105.8,113.5 105.64,113.66 105.38,113.66 v1(105.1,113.38)
  Bottom w0.14: v1(113.1,113.38) 112.97,113.5 U43.7 U43.4
/QSGMII PHY/ETH10_D2_P: length 77.4
  Top w0.09: U1.M1 88,84.2 arc(87.93,84.36) 87.78,84.42 arc(87.62,84.49) 87.55,84.65 87.55,84.8 arc(87.62,84.96) 87.78,85.02 arc(87.93,85.09) 88,85.25 88,85.4 arc(87.93,85.56) 87.78,85.62 arc(87.62,85.69) 87.55,85.85 87.55,86 arc(87.62,86.16) 87.78,86.22 arc(87.93,86.29) 88,86.45 88,90.63 99.21,101.84 99.21,111.24 101.81,113.84 104.82,113.84 v1(105.1,114.12)
  In2.Cu w0.081: v1(113.1,114.12) 113.39,113.84 113.49,113.84 114.44,112.88 115.96,112.88 118.76,115.69 121.94,115.69 122.88,114.74 122.88,109.94 124.24,108.59 129.84,108.59 130.49,107.94 130.49,107.51 J21.3
  Bottom w0.09: U43.5 105.8,114 105.64,113.84 105.38,113.84 v1(105.1,114.12)
  Bottom w0.14: v1(113.1,114.12) 112.97,114 U43.6 U43.5
